# Altium PCB MBoardBase.PcbDoc
Units mil, origin at the board's own origin, x right, y up, seen from the top; angles counter-clockwise.
Board outline 3360 x 1865 mil, 2 copper layers (Top Layer, Bottom Layer); 62 components, 126 nets, 358 pads, 45 vias.
Unrouted connection lines stored in the file: 4.
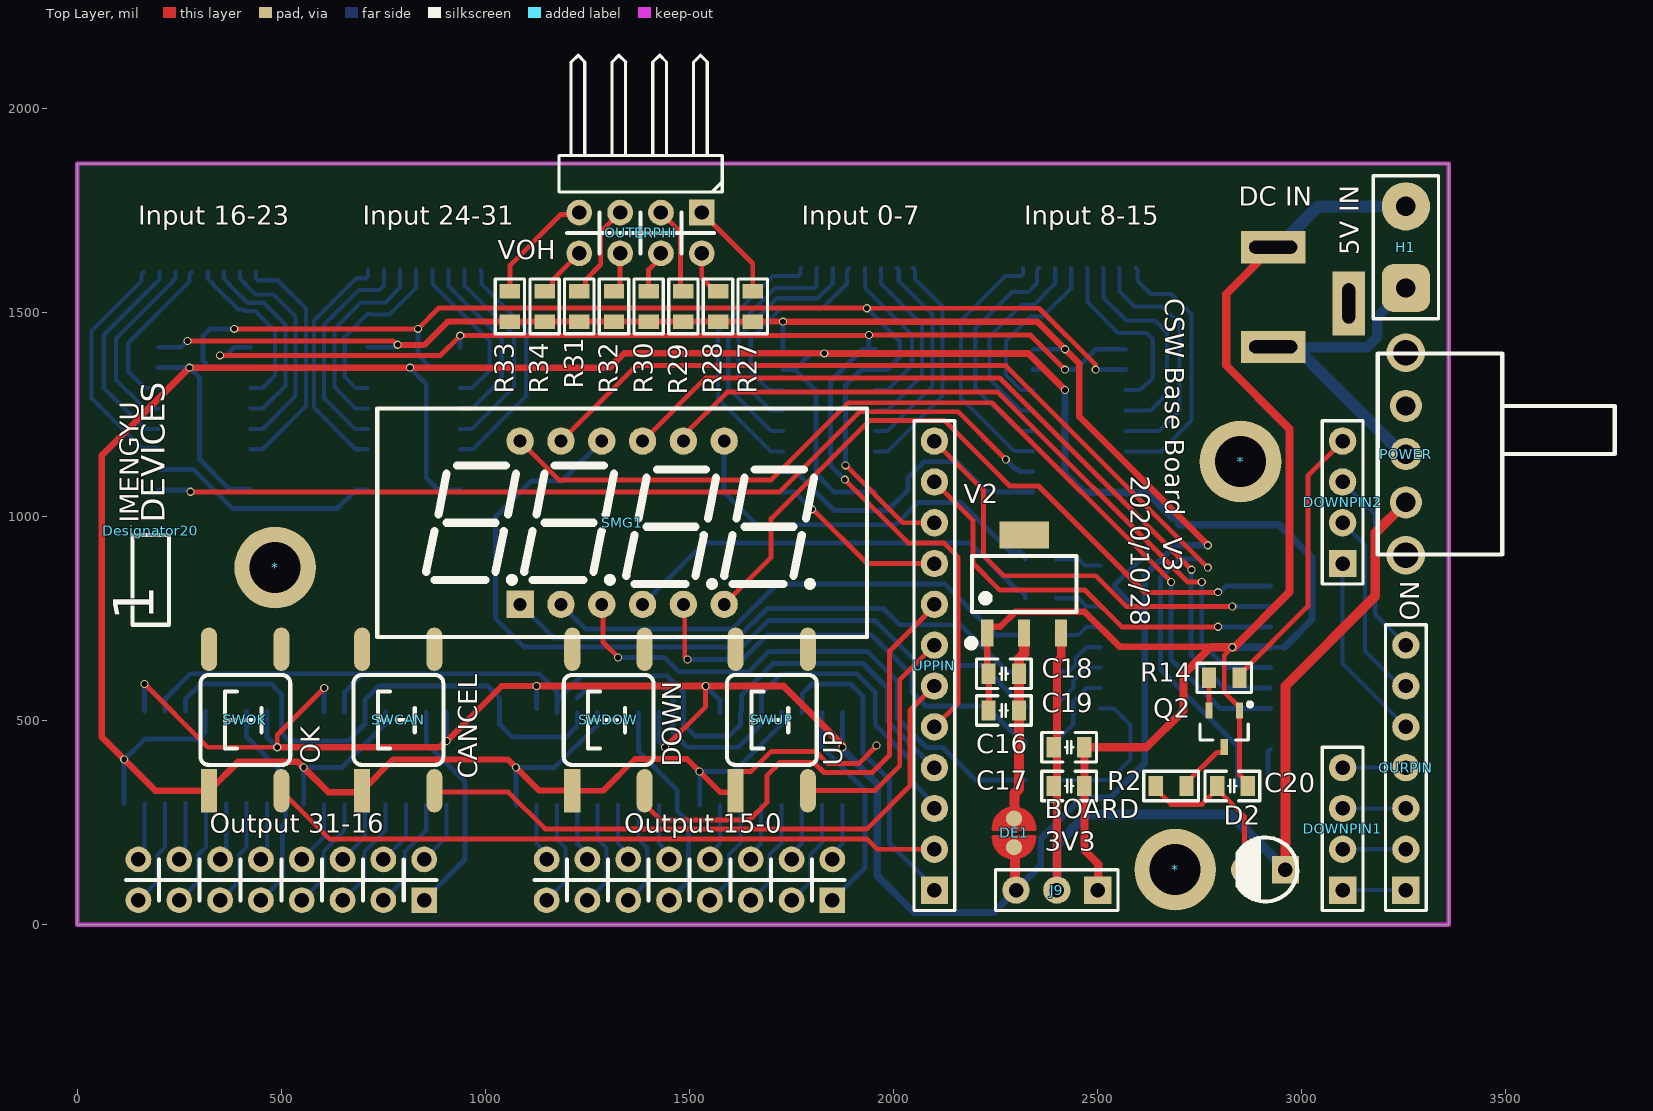
[diagram p0: Top Layer view]
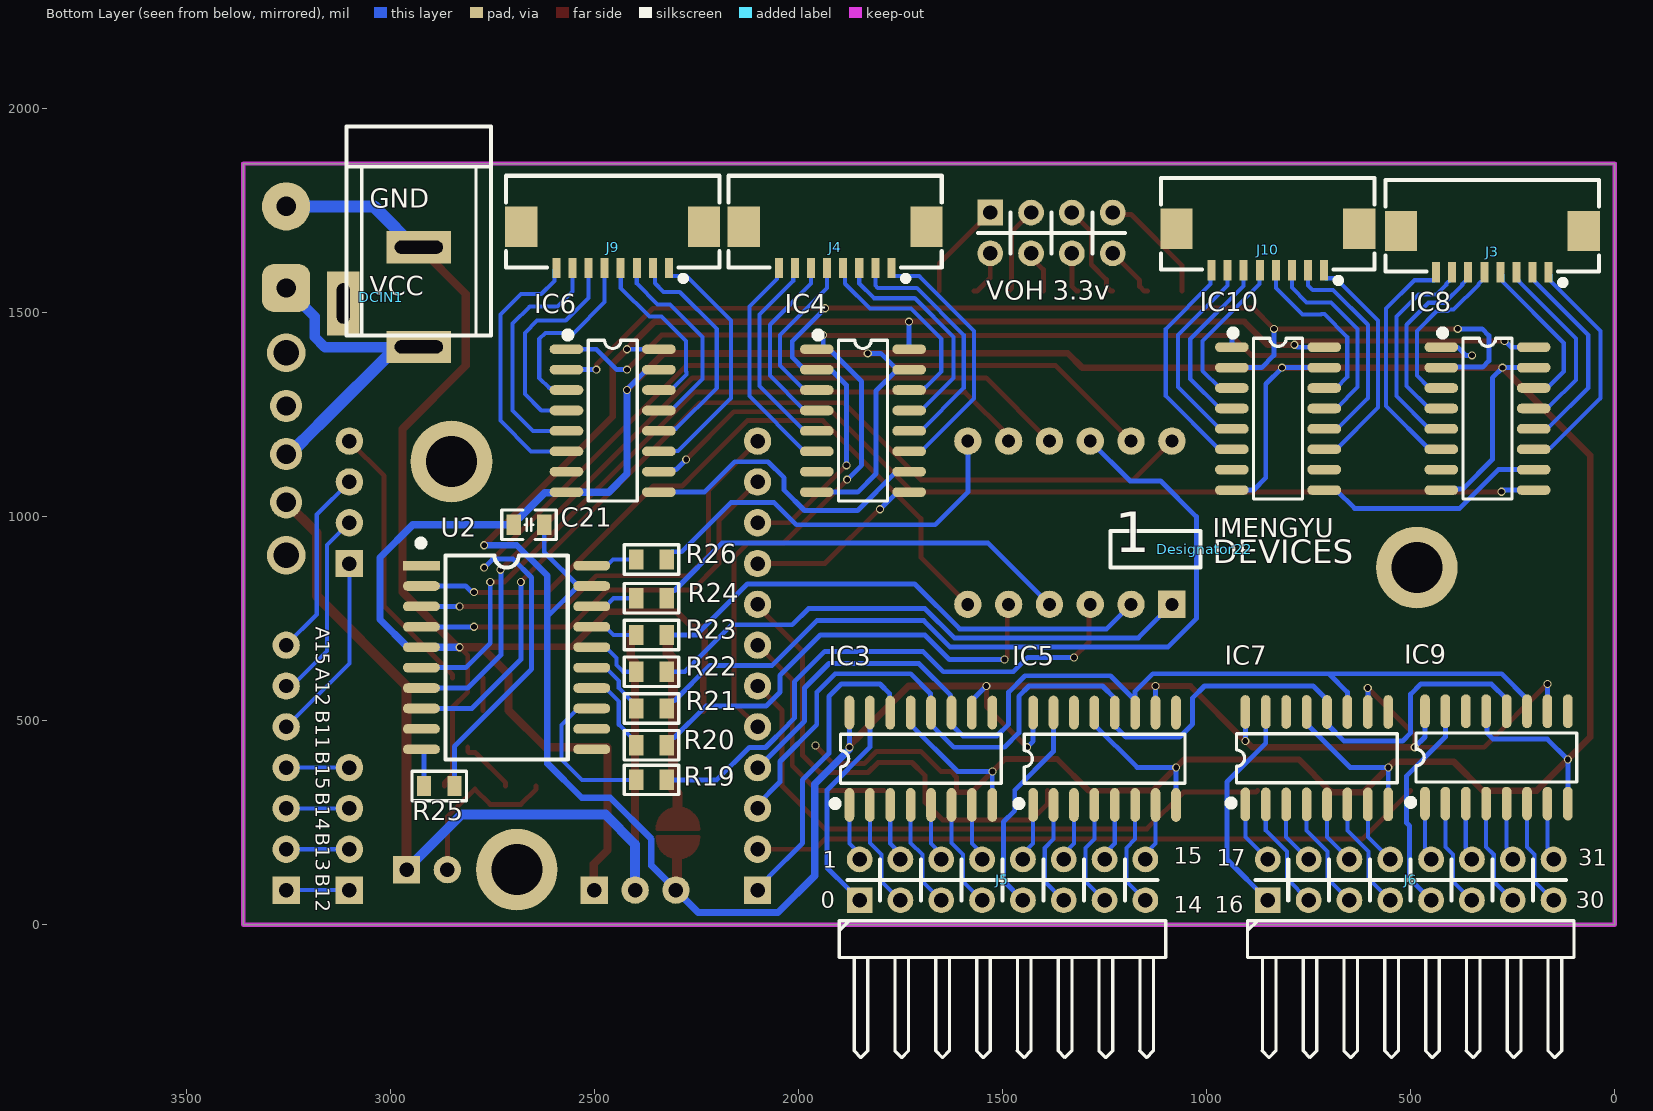
[diagram p1: Bottom Layer view, seen from below]

## Layer stack, top to bottom
Top Solder: solder mask 0.4, Solder Resist, Dk 3.5
Top Layer: signal copper 1.4
Dielectric 1: dielectric 12.6, FR-4, Dk 4.8
Bottom Layer: signal copper 1.4
Bottom Solder: solder mask 0.4, Solder Resist, Dk 3.5

## Board outline
0,0 0,1865 3360,1865 3360,0

## Design rules (kind name [scope] priority, off if disabled: settings)
Clearance [All] p1: gap=10 ignorepadtopadclearanceinfootprint=FALSE
PolygonConnect [All] p1: connectstyle=Relief reliefconductorwidth=10 reliefentries=4 polygonreliefangle="90 Angle" airgapwidth=10
RoutingVias [All] p1: holewidth=16 width=20 viastyle="Through Hole" minholewidth=13 minwidth=20 maxholewidth=30 maxwidth=50
SolderMaskExpansion [All] p1: expansion=4 istentingtop=FALSE
Width [All] p1: maxlimit=30 minlimit=10 preferedwidth=12 minimp=50.000000 maximp=50.000000 favimp=50.000000
30 further rules are at their usual default settings.

## Components (designator, comment, footprint, x,y, rotation, side; value= is the part's Value field where it differs from the comment)
* "M3" "M3 125X200" 2850,1135 r0 top
* "M3" "M3 125X200" 2690,135 r0 top
* "M3" "M3 125X200" 485,875 r0 top
C16 "0.1uF" "C 0805_L" 2430,435 r180 top
C17 "10uF" "C 0805_L" 2430,340 r180 top
C18 "10uF" "C 0805_L" 2270,615 r0 top
C19 "0.1uF" "C 0805_L" 2270,525 r0 top
C20 "106" "C 0805_L" 2830,340 r180 top
C21 "220" "C 0805_L" 2660,980 r180 bottom
D2 "红色" "LED 3MM-B" 2910,135 r180 top
DCIN1 "DC5V" DC-005 2930,1660 r90 bottom
DE1 "USE BOARD 3V3" DEBUG_A 2295,225 r270 top
Designator20 "Comment" LOGO_SMALL 180,965 r90 top
Designator22 "Comment" LOGO_SMALL 1005,920 r180 bottom
DOWNPIN1 "CON4" HDR2.54-M-LI-4P 3100,235 r90 top locked
DOWNPIN2 "CON4" HDR2.54-M-LI-4P 3100,1035 r90 top locked
H1 "5V IN" PAD2-5.08 3255,1560 r90 top
IC3 "74HC595" SOP16_M 1700,406.81 r90 bottom
IC4 "74HC165" SOP16_M 1841.81,1235 r180 bottom
IC5 "74HC595" SOP16_M 1250,406.81 r90 bottom
IC6 "74HC165" SOP16_M 2455,1235 r180 bottom
IC7 "74HC595" SOP16_M 730,408.19 r90 bottom
IC8 "74HC165" SOP16_M 311.81,1240 r180 bottom
IC9 "74HC595" SOP16_M 290,410 r90 bottom
IC10 "74HC165" SOP16_M 825,1240 r180 bottom
J3 "CON8" FPC1.0-2H-WS-8P 300,1700 r0 bottom
J4 "CON8" FPC1.0-2H-WS-8P 1910,1710 r0 bottom
J5 "CON16" HDR2.54-WI-2x8P 1500,110 r180 bottom
J6 "CON16" HDR2.54-WI-2x8P 499.98,110 r180 bottom
J9 "CON8" FPC1.0-2H-WS-8P 2455,1710 r0 bottom
J9 "OUTPOWER" HDR2.54-M-LI-3P 2400,85 r180 top locked
J10 "CON8" FPC1.0-2H-WS-8P 850,1705 r0 bottom
OURPIN "CON7" HDR2.54-LI-7P 3255,385 r90 top
OUTERPHI "CON8" HDR2.54-WI-2x4P 1380,1695 r180 top
POWER "SS-12F23" SS-12F23 3255,1153.11 r0 top
Q2 "SS8050" SOT23-3L 2810,480 r180 top
R2 "100" "R 0805_L" 2680,340 r180 top
R14 "4.7K" "R 0805_L" 2810,605 r180 top
R19 "100" "R 0805_L" 2360,354.99 r180 bottom
R20 "100" "R 0805_L" 2360,439.99 r180 bottom
R21 "100" "R 0805_L" 2360,529.99 r180 bottom
R22 "100" "R 0805_L" 2360,619.99 r180 bottom
R23 "100" "R 0805_L" 2360,709.99 r180 bottom
R24 "100" "R 0805_L" 2360,799.99 r180 bottom
R25 "100" "R 0805_L" 2880,340 r180 bottom
R26 "100" "R 0805_L" 2360,894.99 r180 bottom
R27 "4.7k" "R 0805_L" 1655,1515 r90 top
R28 "4.7k" "R 0805_L" 1570,1515 r90 top
R29 "4.7k" "R 0805_L" 1485,1515 r90 top
R30 "4.7k" "R 0805_L" 1400,1515 r90 top
R31 "4.7k" "R 0805_L" 1230,1515 r90 top
R32 "4.7k" "R 0805_L" 1315,1515 r90 top
R33 "4.7k" "R 0805_L" 1060,1515 r90 top
R34 "4.7k" "R 0805_L" 1145,1515 r90 top
SMG1 "3642A" "SMG 0.36-4P" 1335,985 r0 top locked
SWCAN "CANCEL" "TSW SMD-6*6*4.3" 786.83,501.77 r90 top
SWDOW "DOWN" "TSW SMD-6*6*4.3" 1301.83,501.77 r90 top
SWOK "OK" "TSW SMD-6*6*4.3" 411.83,501.77 r90 top
SWUP "UP" "TSW SMD-6*6*4.3" 1701.83,501.77 r90 top
U2 "CH450" sop20_m 2715,655 r180 bottom
UPPIN "CON12" HDR2.54-M-LI-12P 2100,635 r90 top locked
V2 "AMS1117-3V3" SOT223_L 2320,835 r0 top

## Footprints (in the part's own frame and the unit in brackets; to place one, negate y for a bottom-side part, rotate by r counter-clockwise, add the part's x,y. Pads: shape width x height; smd on the part's side, far side on the other; paste and mask are expansions set on the pad)
"C 0805_L" [mil] "无极性贴片电容"
  rect 35x50 smd: 1(-37.4,0) 2(37.4,0)
  silkscreen extent -67,-36 67,36, body extent -39,-24 39,24, height 20
DC-005 [mm] "5.5*2.1mm，DC30V,2.5A"
  rect 2x4 hole 0.8 slot 3 at 90 deg: 1(-6.2,0) 2(0,0)
  rect 4x2 hole 0.8 slot 2.5 at 0 deg: 3(-3.5,4.7)
  silkscreen extent -5.48,-4.5 7.5,4.5, body extent -6.55,-4.5 7.5,4.8, height 11.2
DEBUG_A [mm] "调试断点焊盘"
  round 1 smd paste-1: 1(-0.889,0) 2(0.889,0)
  Top Layer region: -0.254,1.27 -0.254,-1.27 -0.762,-1.143 -1.397,-0.508 -1.524,0.254 -1.27,0.762 -1.016,1.016 -0.508,1.27
  Top Layer region: 0.254,1.27 0.254,-1.27 0.762,-1.143 1.397,-0.508 1.524,0.254 1.27,0.762 1.016,1.016 0.508,1.27
  Top Layer lines w0.254: 0.254,-1.27 ccw(c0.254,0) 1.522,0.064 ccw(c0.254,0) 0.254,1.27 0.254,-1.27 ; -0.254,-1.27 cw(c-0.254,0) -1.524,0.023 cw(c-0.254,0) -0.254,1.27 -0.254,-1.27
FPC1.0-2H-WS-8P [mm] "翻盖FPC，脚距1mm，不含脚（长12.9mm，宽5.2mm，高1.96mm）"
  rect 2x2.5 smd: 0(-5.69,0) 0(5.69,0)
  rect 0.5x1.25 smd: 1(-3.5,2.575) 2(-2.5,2.575) 3(-1.5,2.575) 4(-0.5,2.575) 5(0.5,2.575) 6(1.5,2.575) 7(2.5,2.575) 8(3.5,2.575)
  silkscreen extent -6.64,-3.17 6.64,3.31, body extent -6.45,-3.15 6.45,2.85, height 2
HDR2.54-LI-7P [mm] "排针，8脚"
  rect 1.7x1.7 hole 0.9: 1(-7.62,0)
  round 1.7 hole 0.9: 2(-5.08,0) 3(-2.54,0) 4(0,0) 5(2.54,0) 6(5.08,0) 7(7.62,0)
  silkscreen extent -8.89,-1.27 8.89,1.27, body extent -8.89,-1.27 8.89,1.27, height 8.5
HDR2.54-M-LI-3P [mm] "排母，3脚"
  rect 1.7x1.7 hole 0.9: 1(-2.54,0)
  round 1.7 hole 0.9: 2(0,0) 3(2.54,0)
  silkscreen extent -3.81,-1.27 3.81,1.27, body extent -3.81,-1.27 3.81,1.27, height 8.5
HDR2.54-M-LI-4P [mm] "排母，4脚"
  rect 1.7x1.7 hole 0.9: 1(-3.81,0)
  round 1.7 hole 0.9: 2(-1.27,0) 3(1.27,0) 4(3.81,0)
  silkscreen extent -5.08,-1.27 5.08,1.27, body extent -5.08,-1.27 5.08,1.27, height 8.5
HDR2.54-M-LI-12P [mm] "排母，12脚"
  rect 1.7x1.7 hole 0.9: 1(-13.97,0)
  round 1.7 hole 0.9: 2(-11.43,0) 3(-8.89,0) 4(-6.35,0) 5(-3.81,0) 6(-1.27,0) 7(1.27,0) 8(3.81,0) 9(6.35,0) 10(8.89,0) 11(11.43,0) 12(13.97,0)
  silkscreen extent -15.24,-1.27 15.24,1.27, body extent -15.24,-1.27 15.24,1.27, height 8.5
HDR2.54-WI-2x4P [mm] "双排弯脚排针，4x2脚"
  rect 1.6x1.6 hole 0.9: 1(-3.81,-1.27)
  round 1.6 hole 0.9: 2(-3.81,1.27) 3(-1.27,-1.27) 4(-1.27,1.27) 5(1.27,-1.27) 6(1.27,1.27) 7(3.81,-1.27) 8(3.81,1.27)
  silkscreen extent -5.08,-11.06 5.08,1.27, body extent -5.08,-11.23 5.08,1.62, height 5.1
HDR2.54-WI-2x8P [mm] "双排弯脚排针，8x2脚"
  rect 1.6x1.6 hole 0.9: 1(-8.89,-1.27)
  round 1.6 hole 0.9: 2(-8.89,1.27) 3(-6.35,-1.27) 4(-6.35,1.27) 5(-3.81,-1.27) 6(-3.81,1.27) 7(-1.27,-1.27) 8(-1.27,1.27) 9(1.27,-1.27) 10(1.27,1.27) 11(3.81,-1.27) 12(3.81,1.27) 13(6.35,-1.27) 14(6.35,1.27) 15(8.89,-1.27) 16(8.89,1.27)
  silkscreen extent -10.16,-11.06 10.16,1.27, body extent -10.16,-11.23 10.16,1.62, height 5.1
"LED 3MM-B" [mm] "蓝色3mm直插LED"
  rect 1.7x1.7 hole 0.9: 1(-1.27,0)
  round 1.7 hole 0.9: 2(1.27,0)
  silkscreen extent -2.01,-2 1.72,1.98, body extent -1.95,-1.95 1.64,1.95, height 5.55
LOGO_SMALL [mil]
  silkscreen extent -230,-45 155,65, body extent 15,70 15,70, height 10
"M3 125X200" [mil] "M3螺丝孔，孔125Mil，焊盘200Mil"
  round 200 hole 125: 1(0,0)
PAD2-5.08 [mm] "引线焊盘"
  rrect50% 3x3 hole 1.2: 1(0,0)
  round 3 hole 1.2: 2(5.08,0)
  silkscreen extent -1.91,-2.03 6.98,2.03
"R 0805_L" [mil] "1/8W贴片电阻"
  rect 35x50 smd: 1(-37.4,0) 2(37.4,0)
  silkscreen extent -67,-36 67,36, body extent -39,-25 39,25, height 20
"SMG 0.36-4P" [mm] "30*14*7.2mm(长宽厚)"
  rect 1.7x1.7 hole 0.8: 1(-6.35,-5.08)
  round 1.7 hole 0.8: 2(-3.81,-5.08) 3(-1.27,-5.08) 4(1.27,-5.08) 5(3.81,-5.08) 6(6.35,-5.08) 7(6.35,5.08) 8(3.81,5.08) 9(1.27,5.08) 10(-1.27,5.08) 11(-3.81,5.08) 12(-6.35,5.08)
  silkscreen extent -15.24,-7.11 15.24,7.11, body extent -15,-7 15,7, height 7.2
SOP16_M [mm] "10.3*6.2*1.8mm（长宽高）"
  oval 2.1x0.6 smd: 1(-2.875,4.445) 2(-2.875,3.175) 3(-2.875,1.905) 4(-2.875,0.635) 5(-2.875,-0.635) 6(-2.875,-1.905) 7(-2.875,-3.175) 8(-2.875,-4.445) 9(2.875,-4.445) 10(2.875,-3.175) 11(2.875,-1.905) 12(2.875,-0.635) 13(2.875,0.635) 14(2.875,1.905) 15(2.875,3.175) 16(2.875,4.445)
  silkscreen extent -2.95,-5 1.52,5.49, body extent -3,-5 3,5, height 1.9
sop20_m [mm] "13*10.6*2.6（长宽高）"
  rect 2.3x0.6 smd: 1(-5.3,5.715)
  oval 2.3x0.6 smd: 2(-5.3,4.445) 3(-5.3,3.175) 4(-5.3,1.905) 5(-5.3,0.635) 6(-5.3,-0.635) 7(-5.3,-1.905) 8(-5.3,-3.175) 9(-5.3,-4.445) 10(-5.3,-5.715) 11(5.3,-5.715) 12(5.3,-4.445) 13(5.3,-3.175) 14(5.3,-1.905) 15(5.3,-0.635) 16(5.3,0.635) 17(5.3,1.905) 18(5.3,3.175) 19(5.3,4.445) 20(5.3,5.715)
  silkscreen extent -5.49,-6.35 3.81,7.27, body extent -5.15,-6.35 5.15,6.35, height 2.7
SOT23-3L [mm] "3x1.3x1mm(长宽高)"
  rect 0.45x1 smd: 1(-0.95,-1.143) 2(0.95,-1.143) 3(0,1.125)
  silkscreen extent -1.73,-1.65 1.5,0.7, body extent -1.5,-1.2 1.5,1.2, height 1.05
SOT223_L [mm] "6.4x7x1.6mm(长宽高)"
  rect 0.75x1.7 smd: 1(-2.3,-3.048) 2(0,-3.048) 3(2.3,-3.048)
  rect 3.1x1.7 smd: 2(0,3.048)
  silkscreen extent -3.5,-3.88 3.25,1.75, body extent -3.25,-3.51 3.25,3.51, height 1.65
SS-12F23 [mm] "脚距3mm"
  round 2.4 hole 1.6: 0(0,-6.3) 0(0,6.3)
  round 2 hole 1.2: 1(0,3) 2(0,0) 3(0,-3)
  silkscreen extent -1.75,-6.25 13,6.25, body extent -0.61,-6.52 12.29,6.48, height 5.75
"TSW SMD-6*6*4.3" [mm] "6*6*4.3mm"
  rect 2.7x1 smd: 1(-4.4,2.261)
  oval 2.7x1 smd: 2(-4.4,-2.239) 3(4.4,-2.239) 4(4.4,2.261)
  silkscreen extent -2.79,-2.79 2.79,2.79, body extent -4.5,-3 4.5,3, height 4.25

## Part data
* * *: "铜柱孔", BOM名称=铜柱孔, 学习资源=www.ooocke.com, 版权归属=源创客
C16 C17 C18 C19 C20 C21: library part C, "无极性贴片电容", BOM名称=无极性贴片电容, 学习资源=www.ooocke.com, 版权归属=源创客
D2: library part LED-3MM, "插件LED", BOM名称=插件LED, 学习资源=www.ooocke.com, 版权归属=源创客
DCIN1: library part P-DC, "低压电源接口", BOM名称=DC电源接口, 学习资源=www.ooocke.com, 版权归属=源创客
DE1: library part DEBUG, "调试断点焊盘", BOM名称=调试断点焊盘, 学习资源=www.ooocke.com, 版权归属=源创客
DOWNPIN1 DOWNPIN2 J3 J4 J5 J6 J9 J10 OURPIN OUTERPHI UPPIN: "Connector"
H1: library part PAD2, "引线焊盘", BOM名称=引线焊盘, 学习资源=www.ooocke.com, 版权归属=源创客
IC3 IC5 IC7 IC9: "8位移位寄存器", BOM名称=8位移位寄存器, 学习资源=www.ooocke.com, 版权归属=源创客
J9: library part CON3, "Connector"
POWER: library part SSW-1P, "1路波动开关", BOM名称=波动开关, 学习资源=www.ooocke.com, 版权归属=源创客
Q2: library part 8050-DIP, "高频放大-NPN型", BOM名称=高频放大-NPN型, 学习资源=www.ooocke.com, 属性="40V 1.5A 1W 100MHZ", 版权归属=源创客
R2 R14 R19 R20 R21 R22 R23 R24 R25 R26 R27 R28 R29 R30 R31 R32 R33 R34: library part R, "贴片电阻", BOM名称=贴片电阻, 学习资源=www.ooocke.com, 版权归属=源创客
SMG1: library part 3641A, "0.36寸4位共阴数码管", BOM名称=0.36寸4位共阴, 学习资源=www.ooocke.com, 版权归属=源创客
SWCAN SWDOW SWOK SWUP: library part "TSW SMD-6x6", "贴片6x6轻触开关", BOM名称=贴片6x6轻触开关, 学习资源=www.ooocke.com, 版权归属=源创客
V2: library part AMS1117, "三端稳压芯片", BOM名称=稳压芯片, 学习资源=www.ooocke.com, 版权归属=源创客

## Via types
v1: diameter 20, hole 14, Top Layer to Bottom Layer, 45 vias

## Nets (pads, with @x,y where several pads share a name; then routed paths per layer and width w, separated by ;. In a path a pad name is that pad's centre, name@x,y a point inside that pad or via, vN(x,y) a via of type N, cw(c..) or ccw(c..) an arc to the next point about the centre after c; other vN are vias at no path point)
CLK: IC4.2 IC6.2 IC8.2 IC10.2 UPPIN.10 | length 3505.6
  Top Layer w12: v1(384.5,1459.9) 384.6,1460 v1(835,1460) 886.1,1511.1 1933.9,1511.1 v1(1934.45,1510.55) 2356.22,1510.55 2495,1371.77 v1(2495,1360) ; v1(1882.37,1125.52) 2022.88,985 UPPIN.10
  Bottom Layer w12: v1(384.5,1459.9) 384.41,1460 325,1460 308.31,1443.31 308.31,1381.69 323.66,1366.34 423.66,1366.34 IC8.2 ; v1(835,1460) 835,1395 865,1365 IC10.2 ; v1(1882.37,1125.52) 1882.37,1322.37 1914.19,1354.19 1916.52,1354.19 1922.33,1360 1985,1360 2015,1390 2015,1430 v1(1934.45,1510.55) ; v1@2500,1360 IC6.2
DATA_IN: IC4.9 UPPIN.9 | length 443.9
  Top Layer w12: v1(1800,1018.15) 1801.85,1018.15 1935,885 UPPIN.9
  Bottom Layer w12: IC4.9 1758.15,1060 v1(1800,1018.15)
DATA_OUT: IC3.14 UPPIN.1 | length 765.3
  Bottom Layer w12: IC3.14 1776.34,521.34 1776.34,566.34 1800,590 1895,590 1925,560 1925,420 1990,355 1990,200 2072.54,117.46 2072.54,112.46 UPPIN.1
DIG4: SMG1.6 U2.2 | length 1761.7
  Top Layer w12: SMG1.6 1700,900 1700,995 1940,1235 2125,1235 2250,1110 2285,1075 2355,1075 2616,814 2794,814 v1(2795,815)
  Bottom Layer w12: v1(2795,815) 2796.53,816.53 2801.53,816.53 2815,830 U2.2
DIG5: SMG1.8 U2.6 | length 1863.4
  Top Layer w12: SMG1.8 1485,1197.97 1592.03,1305 2255,1305 2720,840 v1(2755,840)
  Bottom Layer w12: v1(2755,840) 2755,690 2815,630 U2.6
DIG6: SMG1.9 U2.7 | length 2041
  Top Layer w12: SMG1.9 1540,1340 2259.5,1340 v1(2729.75,869.75)
  Bottom Layer w12: v1(2729.75,869.75) 2729,869 2729,661 2810,580 U2.7
DIG7: SMG1.12 U2.8 | length 2377.8
  Top Layer w12: SMG1.12 1180,1090 1700,1090 1889,1279 2241,1279 v1(2680,840)
  Bottom Layer w12: v1(2680,840) 2680,650 2800,530 U2.8
GND: C16.1 C17.1 C18.1 C19.1 C20.1 C21.1 DCIN1.2 H1.2 IC3.8 IC3.13 IC4.8 IC4.15 IC5.8 IC5.13 IC6.8 IC6.15 IC7.8 IC7.13 IC8.8 IC8.15 IC9.8 IC9.13 IC10.8 IC10.15 J9.1@2500,85 Q2.1 SWCAN.1 SWDOW.1 SWOK.1 SWUP.1 U2.5 V2.1 | length 13406.7
  Top Layer w10: C18.1@2229.45,618.14 C18.1
  Top Layer w12: SWCAN.1@694.29,325 SWCAN.1 ; SWUP.1@1609.29,325 SWUP.1 1612.83,362.01 1626.52,375.69 1651.11,375.69 1700.41,425 1808.59,425 1838.59,395 1915,395 v1@1959.18,439.18 ; v1(2830,680) 2810,660 2810,570 2847.4,532.6 Q2.1 2847.4,367.51 2867.4,347.5 C20.1
  Top Layer w14: SWDOW.1 1288.54,328.54 1366.41,406.41 1493.59,406.41 1524.54,375.46 1575,325 SWUP.1@1609.29,325
  Top Layer w15: SWCAN.1 774.29,405 1055.15,405 v1(1074.62,385.53) 1131.61,328.54 SWDOW.1
  Top Layer w16: SWOK.1 191.46,328.54 v1(115,405) 60,460 60,1150 v1(275,1365) v1(815,1365) 1305,1365 1340,1400 v1(1830,1400) ; SWOK.1@325.76,330.76 395,400 540.15,400 v1(554.62,385.53) 615.15,325 SWCAN.1@694.29,325 ; C18.1@2229.45,618.14 V2.1 2229.45,723.23 2236.21,730 2261.31,730 2297.78,766.46 2468.54,766.46 2554.41,680.59 2776.81,680.59 2829.41,680.59 v1(2830,680) ; C19.1 C18.1
  Top Layer w17: v1(1830,1400) 2330,1400 v1(2420,1310)
  Top Layer w20: J9.1@2501.46,87.02 2501.46,148.54 2467.4,182.6 C17.1 C16.1 2620,435 2710,525 2710,613.19 2776.81,680 v1(2830,680) 2835,680 2970,815 2970,1215 2815,1370 2815,1545 DCIN1.2
  Bottom Layer w12: IC9.8 v1(115,405) 165,455 297.97,455 312.78,469.81 312.78,520.97 IC9.13 ; IC8.15 v1(275,1365) 300,1340 300,1140 372.78,1067.22 422.78,1067.22 IC8.8 ; v1(554.62,385.53) 648.68,385.53 755,491.85 IC7.13 ; IC7.8 v1@555,385 ; IC10.15 v1(815,1365) 855,1325 855,1095 885,1065 IC10.8 ; v1(1074.62,385.53) 1170.06,385.53 1275,490.47 IC5.13 ; IC5.8 v1@1075,385 ; v1(1524.62,375.53) 1610.06,375.53 1725,490.47 IC3.13 ; IC3.8 v1@1525,375 ; IC4.15 IC4.15@1758.15,1360 ; v1(1830,1400) 1798.15,1400 IC4.15@1758.15,1360 ; IC4.8 1855,1060 1810,1105 1810,1308.15 IC4.15@1758.15,1360 ; IC6.15 2371.34,1360 v1@2420,1311.34 ; IC6.8 IC6.8@2568.68,1059.51 ; U2.5@2923.48,680.18 U2.5 U2.5@2957.13,680
  Bottom Layer w16: v1(2420,1310) v1@2420,1311.34 ; IC6.8@2568.68,1059.51 IC6.8@2569.65,1058.54 ; C21.1@2683,997 2687.9,997 2700.2,984.7 C21.1@2700.2,980 ; C21.1 C21.1@2700.2,980 ; C21.1@2700.2,979.8 C21.1@2700.2,980
  Bottom Layer w18: v1(2420,1310) 2420,1105 2465,1060 IC6.8 ; IC6.8@2569.65,1058.54 2621.46,1058.54 C21.1@2683,997 ; C21.1@2700.2,980 2945,980 3025,900 3025,747.87 U2.5@2957.13,680 ; v1@2835.77,680.18 U2.5@2923.48,680.18
  Bottom Layer w30: DCIN1.2@2930,1650 3040,1760 H1.2
  other v1: 1958.35,439.05
I2C_SCL: U2.3 UPPIN.12 | length 1085.1
  Top Layer w12: UPPIN.12 2220,1065 2220,905 2270,855 2495,855 2570,780 v1(2830,780)
  Bottom Layer w12: v1(2830,780) U2.3
I2C_SDA: U2.4 UPPIN.11 | length 1032.2
  Top Layer w12: UPPIN.11 2195,990 2195,885 2260,820 2468.92,820 2558.92,730 v1@2800,730
  Bottom Layer w12: v1@2800,730 U2.4
  other v1: 2795,730
IDEC_00: IC4.11 J4.1 | length 652.5
  Bottom Layer w10: IC4.11 1699.09,1160 1570,1289.09 1570,1455 1704.02,1589.02 1767.36,1589.02 1772.2,1593.86 J4.1
IDEC_01: IC4.12 J4.2 | length 616.5
  Bottom Layer w10: IC4.12 1700,1210 1595,1315 1595,1445 1710,1560 1805.72,1560 1811.57,1565.86 J4.2
IDEC_02: IC4.13 J4.3 | length 565.2
  Bottom Layer w10: IC4.13 1699.09,1260 1620,1339.09 1620,1440 1715,1535 1815,1535 1850.94,1570.94 J4.3
IDEC_03: IC4.14 J4.4 | length 509.2
  Bottom Layer w10: IC4.14 1695.41,1310 1688.6,1316.81 1688.19,1316.81 1650,1355 1650,1435.36 1724.64,1510 1825,1510 1885.47,1570.47 1885.47,1603.78 J4.4
IDEC_04: IC4.3 J4.5 | length 401
  Bottom Layer w10: J4.5 1930,1608.31 1930,1560 2045,1445 2045,1370.47 1984.53,1310 IC4.3
IDEC_05: IC4.4 J4.6 | length 455.4
  Bottom Layer w10: IC4.4 1984.53,1260 2070,1345.47 2070,1470 1969.05,1570.95 J4.6
IDEC_06: IC4.5 J4.7 | length 509.8
  Bottom Layer w10: IC4.5 1984.53,1210 2095,1320.47 2095,1495 2012.73,1577.27 2012.73,1604.31 J4.7
IDEC_07: IC4.6 J4.8 | length 564.4
  Bottom Layer w10: IC4.6 1985,1160 2120,1295 2120,1515 2052.64,1582.36 2052.64,1603.78 J4.8
IDEC_08: IC6.11 J9.1@2317.2,1608.62 | length 634.8
  Bottom Layer w10: J9.1@2317.2,1608.62 2317.2,1593.86 2312.36,1589.02 2274.02,1589.02 2165,1480 2165,1290 2294.68,1160.32 2341.49,1160.32 IC6.11
IDEC_09: IC6.12 J9.2@2356.57,1608.62 | length 567.2
  Bottom Layer w10: IC6.12 2308.6,1210 2303.28,1215.32 2299.68,1215.32 2200,1315 2200,1460 2290.71,1550.71 2330.71,1550.71 2351.73,1571.73 2351.73,1603.78 J9.2@2356.57,1608.62
IDEC_10: IC6.13 J9.3@2395.94,1608.62 | length 494.4
  Bottom Layer w10: IC6.13 2312.28,1260 2235,1337.28 2235,1440 2315,1520 2345,1520 2395.94,1570.94 J9.3@2395.94,1608.62
IDEC_11: IC6.14 J9.4 | length 428.3
  Bottom Layer w10: IC6.14 2312.28,1310 2274.14,1348.14 2274.14,1354.14 2275,1355 2275,1430 2335,1490 2365,1490 2435.31,1560.31 J9.4
IDEC_12: IC6.3 J9.5 | length 455.3
  Bottom Layer w10: J9.5 2474.68,1525.32 2550,1450 2620,1450 2635,1435 2635,1340 2610.32,1315.32 2606.72,1315.32 2601.4,1310 IC6.3
IDEC_13: IC6.4 J9.6 | length 532.6
  Bottom Layer w10: J9.6 2514.05,1535.95 2570,1480 2640,1480 2670,1450 2670,1300 2630,1260 IC6.4
IDEC_14: IC6.5 J9.7 | length 601.8
  Bottom Layer w10: J9.7 2553.43,1551.58 2590,1515 2658.13,1515 2700,1473.13 2700,1260 2650,1210 IC6.5
IDEC_15: IC6.6 J9.8 | length 652.6
  Bottom Layer w10: IC6.6 2655,1160 2730,1235 2730,1495 2680,1545 2630,1545 2597.42,1577.58 2597.42,1604 J9.8
IDEC_16: IC8.11 J3.1 | length 576.7
  Bottom Layer w10: J3.1 157.36,1593.78 157.36,1577.36 35,1455 35,1290 157.39,1167.61 196.02,1167.61 IC8.11
IDEC_17: IC8.12 J3.2 | length 514.6
  Bottom Layer w10: IC8.12 165.41,1215 158.6,1221.81 158.19,1221.81 65,1315 65,1445 J3.2@202.72,1582.72 ; J3.2@201.57,1583.86 J3.2
IDEC_18: IC8.13 J3.3 | length 456.7
  Bottom Layer w10: IC8.13 165.41,1265 158.6,1271.81 158.19,1271.81 95,1335 95,1436.39 233.68,1575.07 233.68,1576.59 240.94,1583.86 J3.3
IDEC_19: IC8.14 J3.4 | length 398.1
  Bottom Layer w10: IC8.14 165.41,1315 158.6,1321.81 158.19,1321.81 125,1355 125,1425 275.47,1575.47 275.47,1593.78 J3.4
IDEC_20: IC8.3 J3.5 | length 416.5
  Bottom Layer w10: J3.5 319.68,1583.86 334.21,1569.33 334.21,1567.8 395.01,1507 406.1,1507 409.2,1503.9 436.1,1503.9 485,1455 485,1345.47 454.53,1315 IC8.3
IDEC_21: IC8.4 J3.6 | length 471.3
  Bottom Layer w10: J3.6 359.05,1583.86 373.58,1569.33 373.58,1567.8 417.48,1523.9 456.1,1523.9 510,1470 510,1320.47 454.53,1265 IC8.4
IDEC_22: IC8.5 J3.7 | length 529
  Bottom Layer w10: J3.7 398.43,1583.86 412.95,1569.33 412.95,1567.8 436.85,1543.9 481.1,1543.9 535,1490 535,1295.47 454.53,1215 IC8.5
IDEC_23: IC8.6 J3.8 | length 585.8
  Bottom Layer w10: IC8.6 454.53,1165 560,1270.47 560,1510 490.98,1579.02 442.64,1579.02 437.8,1583.86 J3.8
IDEC_24: IC10.11 J10.1 | length 579
  Bottom Layer w10: IC10.11 682.28,1165 580,1267.28 580,1480 684.02,1584.02 707.36,1584.02 712.2,1588.86 J10.1
IDEC_25: IC10.12 J10.2 | length 541.5
  Bottom Layer w10: IC10.12 680,1215 605,1290 605,1470 690,1555 740,1555 751.57,1566.57 J10.2
IDEC_26: IC10.13 J10.3 | length 491.6
  Bottom Layer w10: IC10.13 682.28,1265 630,1317.28 630,1460 695,1525 755,1525 790.94,1560.94 J10.3
IDEC_27: IC10.14 J10.4 | length 434.6
  Bottom Layer w10: IC10.14 682.28,1315 655.47,1341.81 655.47,1440.47 710.86,1495.86 719.14,1495.86 720,1495 765,1495 830,1560 830,1603.31 J10.4
IDEC_28: IC10.3 J10.5 | length 393.8
  Bottom Layer w10: J10.5 870.13,1603.18 870.13,1569.87 1010,1430 1010,1357.28 967.72,1315 IC10.3
IDEC_29: IC10.4 J10.6 | length 452.3
  Bottom Layer w10: J10.6 910,1602.68 910,1565 1040,1435 1040,1337.28 967.72,1265 IC10.4
IDEC_30: IC10.5 J10.7 | length 510.9
  Bottom Layer w10: IC10.5 967.72,1215 1070,1317.28 1070,1445 948.42,1566.58 J10.7
IDEC_31: IC10.6 J10.8 | length 570.8
  Bottom Layer w10: IC10.6 970,1165 1100,1295 1100,1460 989.92,1570.08 989.92,1601.5 J10.8
KEY_IN_1: SWUP.2 UPPIN.7 | length 580.7
  Top Layer w12: SWUP.2 1953.54,328.54 2015,390 2015,600 UPPIN.7
KEY_IN_2: SWDOW.2 UPPIN.8 | length 1196.4
  Top Layer w12: SWDOW.2 1390,295.08 1428.08,257 1647,257 1690,300 1690,365.97 1721.72,397.69 1804.78,397.69 1829.47,373 1948,373 1990,415 1990,670 2105,785 UPPIN.8
KEY_IN_3: SWCAN.2 UPPIN.6 | length 1517.1
  Top Layer w12: SWCAN.2 878.54,325 1056.24,325 1146.24,235 1935,235 2040,340 2040,525 UPPIN.6
KEY_IN_4: SWOK.2 UPPIN.2 | length 1659.5
  Top Layer w12: SWOK.2 618.54,210 1935,210 1960,185 UPPIN.2
NetC18_2: C18.2 C19.2 DE1.1 V2.2 | length 465.6
  Top Layer w25: DE1.1@2295.92,259.34 2295.92,284.99 2295.92,320.92 2307.4,332.4 C19.2 C18.2 2307.4,652.4 2320,665 V2.2@2320,715
NetC20_2: C20.2 D2.2 R2.2 | length 414
  Top Layer w12: R2.2 2642.6,332.5 2680.1,295 2755.1,295 2792.6,332.5 2860,265.1 D2.2
NetDCIN1_1: DCIN1.1 H1.1 POWER.2 | length 733.4
  Bottom Layer w25: DCIN1.1@2985,1415 3160,1415 3185,1440 3185,1490 H1.1
  Bottom Layer w30: DCIN1.1@2985,1415 3171.89,1228.11 ; 3175,1225 3246.89,1153.11 POWER.2
NetIC3_1: IC3.1 J5.2 | length 144
  Bottom Layer w10: J5.2 1850,174.34 1875,199.34 IC3.1
NetIC3_2: IC3.2 J5.3 | length 264.7
  Bottom Layer w10: J5.3 1796.5,106.5 1796.5,172.25 1825,200.76 IC3.2
NetIC3_3: IC3.3 J5.4 | length 144
  Bottom Layer w10: J5.4 1750,174.34 1775,199.34 IC3.3
NetIC3_4: IC3.4 J5.5 | length 264.7
  Bottom Layer w10: J5.5 1696.5,106.5 1696.5,172.25 1725,200.76 IC3.4
NetIC3_5: IC3.5 J5.6 | length 144
  Bottom Layer w10: J5.6 1650,174.34 1675,199.34 IC3.5
NetIC3_6: IC3.6 J5.7 | length 264.7
  Bottom Layer w10: J5.7 1596.5,106.5 1596.5,172.25 1625,200.76 IC3.6
NetIC3_7: IC3.7 J5.8 | length 144
  Bottom Layer w10: J5.8 1550,174.34 1575,199.34 IC3.7
NetIC3_9: IC3.9 IC5.14
NetIC4_10: IC4.10 IC6.9 | length 750.4
  Bottom Layer w12: IC4.10 1760,1110 1855,1015 1985,1015 2035,1065 2035,1095 2074.46,1134.46 2155.98,1134.46 2230.45,1060 IC6.9
NetIC5_1: IC5.1 J5.10 | length 144
  Bottom Layer w10: IC5.1 1425,199.34 1450,174.34 J5.10
NetIC5_2: IC5.2 J5.11 | length 261.8
  Bottom Layer w10: J5.11 1396.5,106.5 1396.5,188.52 1375,210.02 IC5.2
NetIC5_3: IC5.3 J5.12 | length 144
  Bottom Layer w10: IC5.3 1325,199.34 1350,174.34 J5.12
NetIC5_4: IC5.4 J5.13 | length 261.8
  Bottom Layer w10: J5.13 1296.5,106.5 1296.5,188.52 1275,210.02 IC5.4
NetIC5_5: IC5.5 J5.14 | length 144
  Bottom Layer w10: IC5.5 1225,199.34 1250,174.34 J5.14
NetIC5_6: IC5.6 J5.15 | length 261.8
  Bottom Layer w10: J5.15 1196.5,106.5 1196.5,188.52 1175,210.02 IC5.6
NetIC5_7: IC5.7 J5.16 | length 144
  Bottom Layer w10: IC5.7 1125,199.34 1150,174.34 J5.16
NetIC5_9: IC5.9 IC7.14
NetIC6_10: IC6.10 IC8.9 | length 2287.7
  Top Layer w12: v1(277.46,1061) 278.46,1060 1720,1060 1917,1257 2158,1257 v1(2275,1140)
  Bottom Layer w12: IC8.9 271.3,1065 275.3,1061 v1(277.46,1061) ; v1(2275,1140) 2299.56,1115.44 2303.7,1115.44 2309.14,1110 IC6.10
NetIC7_1: IC7.1 J6.2 | length 157.8
  Bottom Layer w10: J6.2 905,215.02 IC7.1
NetIC7_2: IC7.2 J6.3 | length 278.5
  Bottom Layer w10: J6.3 803.48,113.5 803.48,179.26 855,230.77 IC7.2
NetIC7_3: IC7.3 J6.4 | length 157.8
  Bottom Layer w10: J6.4 805,215.02 IC7.3
NetIC7_4: IC7.4 J6.5 | length 278.5
  Bottom Layer w10: J6.5 703.48,113.5 703.48,179.26 755,230.77 IC7.4
NetIC7_5: IC7.5 J6.6 | length 157.8
  Bottom Layer w10: J6.6 705,215.02 IC7.5
NetIC7_6: IC7.6 J6.7 | length 278.5
  Bottom Layer w10: J6.7 603.48,113.5 603.48,179.26 655,230.77 IC7.6
NetIC7_7: IC7.7 J6.8 | length 157.8
  Bottom Layer w10: J6.8 605,215.02 IC7.7
NetIC7_9: IC7.9 IC9.14
NetIC8_10: IC8.10 IC10.9 | length 571.2
  Bottom Layer w12: IC8.10 285,1115 380,1020 637.28,1020 682.28,1065 IC10.9
NetIC9_1: IC9.1 J6.10 | length 143
  Bottom Layer w10: J6.10 449.98,174.34 465,189.36 IC9.1
NetIC9_2: IC9.2 J6.11 | length 263.7
  Bottom Layer w10: J6.11 396.48,106.5 396.48,172.25 415,190.77 IC9.2
NetIC9_3: IC9.3 J6.12 | length 143
  Bottom Layer w10: J6.12 349.98,174.34 365,189.36 IC9.3
NetIC9_4: IC9.4 J6.13 | length 263.7
  Bottom Layer w10: J6.13 296.48,106.5 296.48,172.25 315,190.77 IC9.4
NetIC9_5: IC9.5 J6.14 | length 143
  Bottom Layer w10: J6.14 249.98,174.34 265,189.36 IC9.5
NetIC9_6: IC9.6 J6.15 | length 263.7
  Bottom Layer w10: J6.15 196.48,106.5 196.48,172.25 215,190.77 IC9.6
NetIC9_7: IC9.7 J6.16 | length 143
  Bottom Layer w10: J6.16 149.98,174.34 165,189.36 IC9.7
NetOUTERPHI_1: OUTERPHI.1 R27.2 | length 244.4
  Top Layer w12: OUTERPHI.1 1655,1620 R27.2
NetOUTERPHI_2: OUTERPHI.2 R28.2 | length 113.6
  Top Layer w12: OUTERPHI.2 1530,1584.9 1562.5,1552.4 R28.2
NetOUTERPHI_3: OUTERPHI.3 R29.2 | length 215.4
  Top Layer w12: OUTERPHI.3 1477.5,1697.5 1477.5,1559.91 R29.2
NetOUTERPHI_4: OUTERPHI.4 R30.2 | length 105
  Top Layer w12: R30.2 1400,1605 1430,1635 OUTERPHI.4
NetOUTERPHI_5: OUTERPHI.5 R31.2 | length 236.5
  Top Layer w12: R31.2 1234.18,1552.4 1245.68,1563.9 1245.68,1580.68 1282.5,1617.5 1282.5,1697.5 OUTERPHI.5
NetOUTERPHI_6: OUTERPHI.6 R32.2 | length 100.9
  Top Layer w12: R32.2 1318.5,1552.4 1330,1563.9 OUTERPHI.6
NetOUTERPHI_7: OUTERPHI.7 R33.2 | length 286.4
  Top Layer w12: R33.2 1060,1615 1185,1740 1225,1740 OUTERPHI.7
NetOUTERPHI_8: OUTERPHI.8 R34.2 | length 132.2
  Top Layer w12: R34.2 1152.5,1552.4 1164,1563.9 1164,1579 OUTERPHI.8
NetQ2_2: Q2.2 R14.2 | length 80
  Top Layer w12: Q2.2 R14.2
NetQ2_3: Q2.3 R2.1 | length 143
  Top Layer w12: R2.1 2717.4,347.5 2789.9,420 2790,420 2792.02,422.02 2807.14,422.02 2810,424.88 Q2.3
NetR19_1: R19.1 U2.13 | length 378.4
  Bottom Layer w10: R19.1 2530,355 2580,405 2580,489.8 2539.8,530 U2.13
NetR19_2: R19.2 SMG1.3 | length 1362.6
  Top Layer w12: SMG1.3 1288.47,781.53 1288.47,691.53 v1(1325,655)
  Bottom Layer w12: v1(1325,655) 1438.23,655 1473.23,620 1645,620 1695,670 1935,670 2010,595 2010,506.25 2025,491.25 2025,490.05 2080.58,434.46 2120.49,434.46 2199.96,354.99 R19.2
NetR20_1: R20.1 U2.14 | length 204.7
  Bottom Layer w10: R20.1 2397.4,447.49 2440.09,490.17 2440.09,547.21 2472.87,580 U2.14
NetR20_2: R20.2 SMG1.5 | length 1131.9
  Top Layer w12: SMG1.5 1488.47,781.53 1488.47,656.53 v1(1495,650)
  Bottom Layer w12: v1(1495,650) 1630,650 1690,710 1946.11,710 2045,611.11 2045,570.05 2079.51,535.54 2227.06,535.54 2303.6,458.99 2311.1,458.99 2322.6,447.49 R20.2
NetR21_1: R21.1 U2.15 | length 164.7
  Bottom Layer w10: R21.1 2397.4,537.49 2440.09,580.17 2440.09,597.21 2472.87,630 U2.15
NetR21_2: R21.2 SMG1.10 | length 2032.8
  Bottom Layer w12: SMG1.10 1187.24,1087.24 1112.24,1087.24 1025,1000 1025,750 1094,681 1628.77,681 1692.77,745 1955,745 2064.46,635.54 2217.06,635.54 2303.6,548.99 2311.1,548.99 2322.6,537.49 R21.2
NetR22_1: R22.1 U2.16 | length 143.8
  Bottom Layer w10: R22.1 2429.9,619.99 2446.06,636.15 2446.06,653.19 2472.87,680 U2.16
NetR22_2: R22.2 SMG1.1 | length 1365.6
  Bottom Layer w12: SMG1.1 1167,703 1618,703 1690,775 1975,775 2015,735 2163.05,735 2278.06,619.99 R22.2
NetR23_1: R23.1 U2.17 | length 117.2
  Bottom Layer w10: R23.1 2452.87,709.99 2472.87,730 U2.17
NetR23_2: R23.2 SMG1.2 | length 1259.8
  Bottom Layer w12: SMG1.2 1245,725 1605,725 1715,835 2125,835 2250.01,709.99 R23.2
NetR24_1: R24.1 U2.18 | length 117.2
  Bottom Layer w10: R24.1 2452.88,799.99 2472.87,780 U2.18
NetR24_2: R24.2 SMG1.4 | length 1060
  Bottom Layer w12: SMG1.4 1535,935 2187.59,935 2303.6,818.99 2311.1,818.99 2322.6,807.49 R24.2
NetR25_1: R25.1 U2.10 | length 93.1
  Bottom Layer w12: R25.1 2917.4,424.63 2922.77,430 U2.10
NetR25_2: R25.2 SMG1.11 | length 2598.8
  Top Layer w12: SMG1.11 1370,1370 2275,1370 v1(2770,875)
  Bottom Layer w12: v1(2770,875) 2749.25,895.75 2698.98,895.75 2654,850.77 2654,626 2842.6,437.4 R25.2
NetR26_1: R26.1 U2.20 | length 115.1
  Bottom Layer w10: R26.1 2454.2,894.99 2469.19,880 U2.20
NetR26_2: R26.2 SMG1.7 | length 980.9
  Bottom Layer w12: SMG1.7 1585,1060 1665,980 2005,980 2060,1035 2165,1035 2286.01,913.99 2311.1,913.99 2322.6,902.49 R26.2
OC_00: IC3.15 J5.1 | length 536.6
  Bottom Layer w12: IC3.15 1825,435 1930,330 1930,140 1875.5,85.5 J5.1
OC_08: IC5.15 J5.9 | length 530.4
  Bottom Layer w12: IC5.15 1375,490.47 1375,425 1470,330 1470,279.76 1497.5,252.27 1497.5,107.5 J5.9
OC_16: IC7.15 J6.1 | length 542.2
  Bottom Layer w12: J6.1 950,160.02 950,350 855,445 IC7.15
OC_24: IC9.15 J6.9 | length 527.4
  Bottom Layer w12: IC9.15 415,460 510,365 510,249.41 502.48,241.89 502.48,112.5 J6.9
PA11: DOWNPIN2.1 OURPIN.5 | length 464.2
  Bottom Layer w10: DOWNPIN2.1 3100,640 OURPIN.5
PA12: DOWNPIN2.2 OURPIN.6 | length 472.5
  Bottom Layer w10: DOWNPIN2.2 3155,930 3155,670.86 3240.86,585 OURPIN.6
PA15: DOWNPIN2.3 OURPIN.7 | length 464.2
  Bottom Layer w10: DOWNPIN2.3 3180,1005 3180,760 OURPIN.7
PB8: DOWNPIN2.4 R14.1 | length 684.6
  Top Layer w12: R14.1 2847.4,612.5 3015,780.1 3015,1100 DOWNPIN2.4
PB12: DOWNPIN1.1 OURPIN.1 | length 155
  Bottom Layer w10: DOWNPIN1.1 OURPIN.1
PB13: DOWNPIN1.2 OURPIN.2 | length 155
  Bottom Layer w10: DOWNPIN1.2 OURPIN.2
PB14: DOWNPIN1.3 OURPIN.3 | length 155
  Bottom Layer w10: DOWNPIN1.3 OURPIN.3
PB15: DOWNPIN1.4 OURPIN.4 | length 155
  Bottom Layer w10: DOWNPIN1.4 OURPIN.4
SH_CP: IC3.11 IC5.11 IC7.11 IC9.11 UPPIN.4 | length 2521.8
  Bottom Layer w12: IC9.11 215,552.72 277.28,615 700,615 ; IC7.11 655,570 700,615 ; IC5.11 IC5.11@1175,549.53 ; UPPIN.4 2098.93,385 1985,498.93 1985,580 1925,640 1705,640 1627.22,562.22 1627.22,522.22 IC3.11 1625,490.47 1597.19,462.66 1513.48,462.66 1485,491.14 1485,570 1445,610 1235.47,610 IC5.11@1175,549.53 ; 700,615 1131.77,615 1175,571.77 IC5.11@1175,549.53
SH_LD: IC4.1 IC6.1 IC8.1 IC10.1 UPPIN.5 | length 3637.5
  Top Layer w12: v1(350,1395) 890,1395 v1(938.4,1443.4) 939,1444 1939,1444 v1(1940,1445) 2335,1445 v1(2420,1360) ; v1(1880.56,1090.56) 2035.58,935.54 2122.46,935.54 2158,900 2158,543 UPPIN.5
  Bottom Layer w12: v1(350,1395) 365,1395 385,1415 IC8.1 ; IC10.1 938.19,1443.19 v1(938.4,1443.4) ; v1(1880.56,1090.56) 1845,1126.11 1845,1331.11 1923.89,1410 IC4.1@1944.48,1410 ; v1(1940,1445) 1939.12,1444.12 1939.12,1415.37 IC4.1@1944.48,1410 ; IC4.1 IC4.1@1944.48,1410 ; v1(2420,1360) 2445,1360 2495,1410 IC6.1
ST_CP: IC3.12 IC5.12 IC7.12 IC9.12 UPPIN.3 | length 2681.7
  Bottom Layer w12: IC9.12 265,552.72 302.28,590 475,590 500,565 500,470 520.03,449.97 529.97,449.97 ; 530,450 663.15,450 705,491.85 IC7.12 705,550.91 739.09,585 1005,585 1034.24,555.76 1034.24,491.9 1066.14,460 1197.97,460 1206.46,468.49 1206.46,468.78 1225,487.33 IC5.12 ; IC5.12@1225,555 1255,585 1435,585 1460,560 1460,470 1495,435 1619.53,435 1675,490.47 IC3.12 1676.34,521.34 1676.34,566.34 1725,615 1910,615 1955,570 1955,490 2045,400 2045,350 2100,295 UPPIN.3
VCC: C16.2 C17.2 D2.1 J9.2@2400,85 POWER.3 V2.3 | length 2414.8
  Top Layer w20: J9.2@2400,85 2400,645 2410.55,655.55 V2.3
  Top Layer w24: D2.1 2960,585 3180,805 3180,960 POWER.3
  Bottom Layer w24: J9.2@2400,85 2400,197.17 2472.83,270 2825,270 D2.1
"VCC 3V3": C21.2 DE1.2 IC3.10 IC3.16 IC4.16 IC5.10 IC5.16 IC6.16 IC7.10 IC7.16 IC8.16 IC9.10 IC9.16 IC10.16 J9.3@2300,85 R27.1 R28.1 R29.1 R30.1 R31.1 R32.1 R33.1 R34.1 U2.19 | length 8334.1
  Top Layer w10: DE1.2 2297.5,187.5 2297.5,165.06 ; J9.3@2297.5,87.5 J9.3@2300,85
  Top Layer w12: v1(165,590) 320,435 v1(490,435) 490,465 v1(605,580) ; v1(270,1430) 773.84,1430 782.84,1421 v1(785,1421) ; v1@902.84,450 v1(905,450) ; v1(1440,435) 1539.53,534.53 v1(1539.53,585) ; 1845,465 v1(1875,435)
  Top Layer w15: v1(490,435) 887.84,435 v1@902.84,450 ; v1(785,1421) 785.96,1420.04 789.49,1420.04 789.54,1420 850,1420 907.6,1477.6 R33.1 R34.1 R31.1 R32.1 R30.1 R29.1 R28.1 R27.1 v1(1728.82,1477.6) ; v1(905,450) 1040,585 v1(1125,585)
  Top Layer w16: v1(1728.82,1477.6) 2352.4,1477.6 v1(2420,1410) 2455,1375 2455,1245 v1(2770,930)
  Top Layer w17: v1(1125,585) v1(1539.53,585) 1730,585 1875,440 v1(1875,435)
  Top Layer w25: J9.3@2297.5,87.5 2297.5,165.06
  Bottom Layer w12: IC9.10 v1(165,590) ; IC8.16 253.34,1415 268.34,1430 v1(270,1430) ; IC9.16 465,460 v1(490,435) ; IC7.10 v1(605,580) ; IC10.16 776.84,1415 782.84,1421 v1(785,1421) ; v1(905,450) IC7.16 ; IC5.10@1125,530 v1(1125,585) ; IC5.16 1425,450 v1(1440,435) ; v1@1535,585 v1(1539.53,585) 1575,549.53 IC3.10 ; IC4.16 1728.62,1477.39 v1(1728.82,1477.6) ; v1(1875,435) IC3.16 ; IC6.16 v1(2420,1410) ; 2615,754.8 2539.8,830 2622.6,912.8 C21.2@2622.6,970
  Bottom Layer w16: J9.3@2300,85 2360,145 2360,210 2460.95,310.95 2530.95,310.95 2615,395 2615,754.8 2615,855 2690,930 v1(2770,930)
  Bottom Layer w18: v1(1875,435) 1875,430 1960,345 1960,120 2050,30 2245,30 J9.3@2300,85
pads on no net: *.1 DCIN1.3 IC4.7 IC6.7 IC8.7 IC9.9 IC10.7 IC10.10 J3.0 J4.0 J9.0 J10.0 POWER.0 POWER.1 SWCAN.3 SWCAN.4 SWDOW.3 SWDOW.4 SWOK.3 SWOK.4 SWUP.3 SWUP.4 U2.1 U2.9 U2.11 U2.12

## Keep-outs
Keep-Out Layer:
  the board outline again, w10

## Silkscreen, mask and mechanical layers (free items; w line width, h text height)
Top Overlay:
  text "DC IN" at 2845,1745.86 h80
  text "Input 16-23" at 150,1699.21 h80
  text "Input 24-31" at 700,1699.21 h80
  text "Input 0-7" at 1775,1699.21 h80
  text "Input 8-15" at 2320,1699.21 h80
  text "VOH" at 1030,1615 h80
  text "CSW Base Board" at 2650,1535 h80 r270
  text "2020/10/28" at 2565,1100 h80 r270
  text "V3" at 2645,950 h80 r270
  text "ON" at 3304.14,745 h80 r90
  text "Output 31-16" at 325,209.21 h80
  text "Output 15-0" at 1340,209.21 h80
  text "BOARD / 3V3" at 2370,165 h80
Bottom Overlay:
  text "GND" at 3050,1740.86 h80
  text "VCC" at 3049.92,1525.86 h80
  text "VOH 3.3v" at 1539.92,1515.86 h80
  text "A15" at 3194.36,730 h60 r90
  text "A12" at 3195,630 h60 r90
  text "B11" at 3195,525 h60 r90
  text "B15" at 3194.36,425 h60 r90
  text "B14" at 3195,325 h60 r90
  text "B13" at 3194.36,225 h60 r90
  text "B12" at 3195,125 h60 r90

## Text inside footprints (layer, text, board x,y; h text height)
Designator20: Top Overlay "IMENGYU" at 167.11,985 h80 r90; Top Overlay "DEVICES" at 234.12,985 h100 r90; Top Overlay "1" at 220,745 h170 r90
Designator22: Bottom Overlay "IMENGYU" at 985,932.89 h80; Bottom Overlay "DEVICES" at 985,865.88 h100; Bottom Overlay "1" at 1225,880 h170
J5: Bottom Overlay "14" at 1080,30 h40; Bottom Overlay "15" at 1080,150 h40; Bottom Overlay "0" at 1945,40 h40; Bottom Overlay "1" at 1940,140 h40
J6: Bottom Overlay "30" at 95,40 h40; Bottom Overlay "31" at 90,145 h40; Bottom Overlay "16" at 980,30 h40; Bottom Overlay "17" at 975,145 h40